# KiCad board ws2812-clock.kicad_pcb (continued)
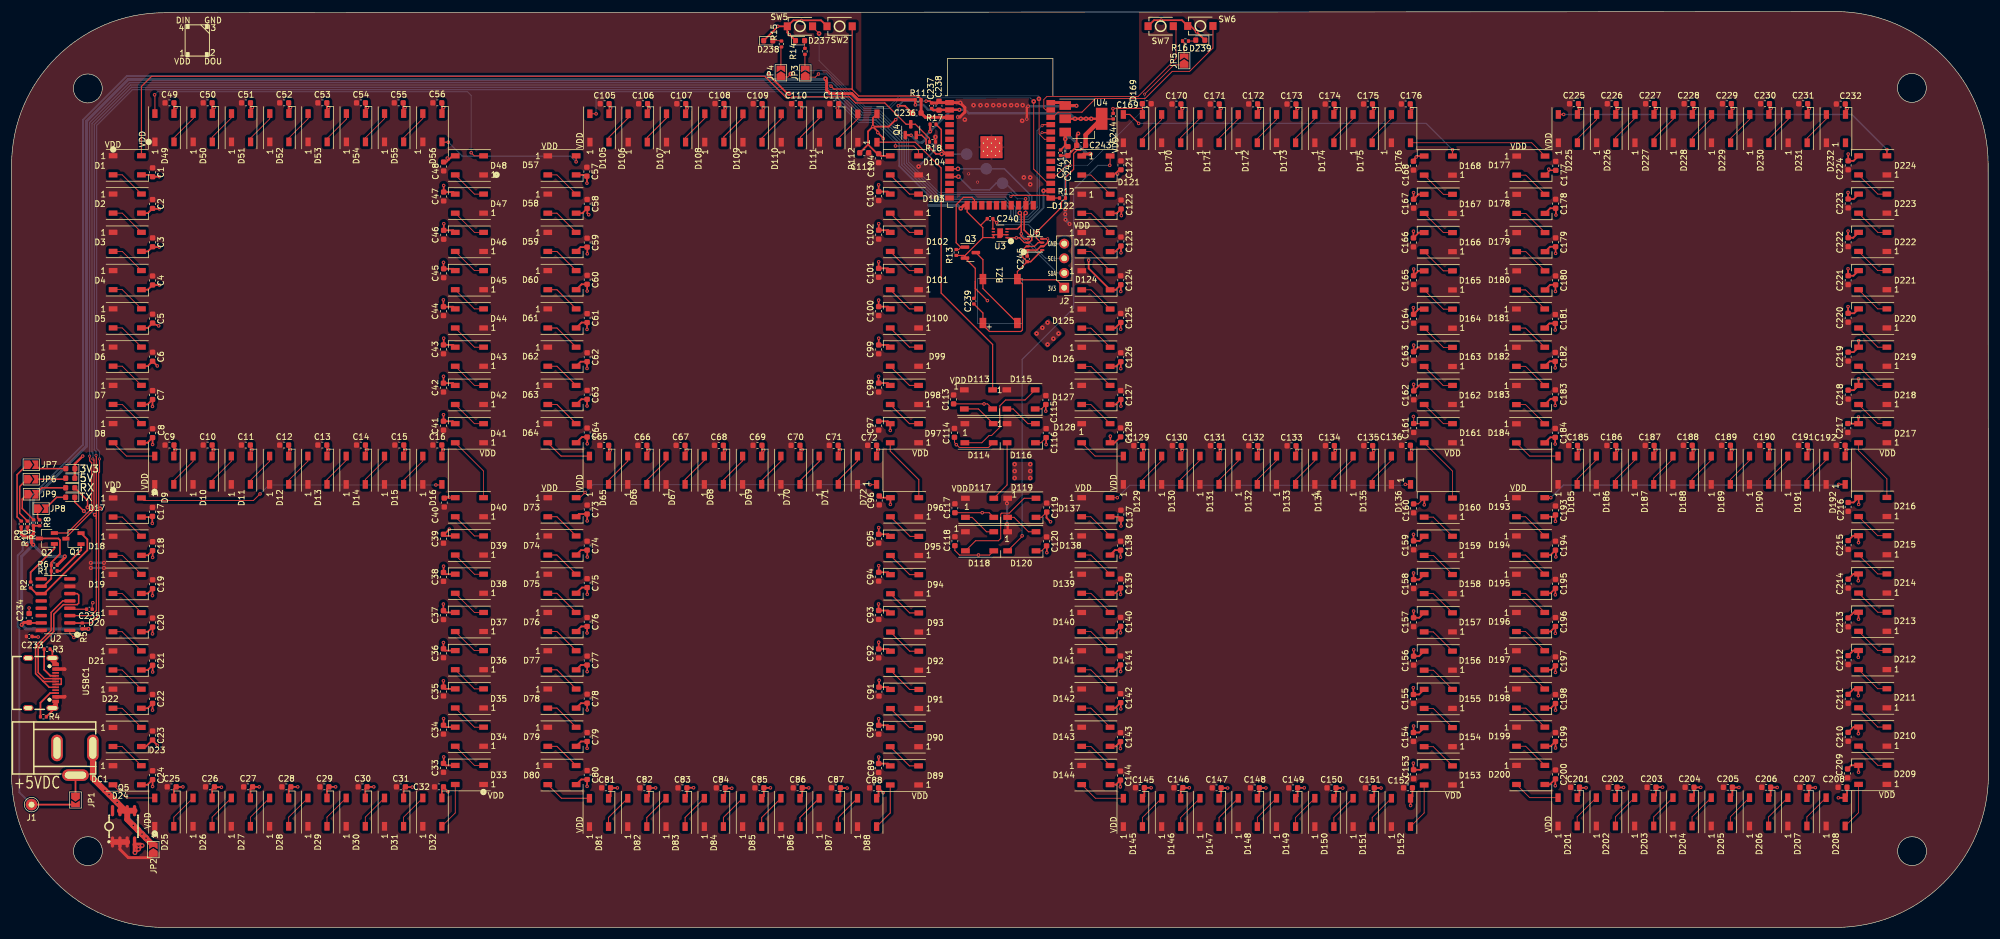
[diagram p0: board, top side]
## Nets (continued)
Net-(D118-DOUT): D118.2 D119.4
Net-(D119-DOUT): D119.2 D120.4
Net-(D120-DOUT): D120.2 D121.4
Net-(D121-DOUT): D121.2 D122.4
Net-(D122-DOUT): D122.2 D123.4
Net-(D123-DOUT): D123.2 D124.4
Net-(D124-DOUT): D124.2 D125.4
Net-(D125-DOUT): D125.2 D126.4
Net-(D126-DOUT): D126.2 D127.4
Net-(D127-DOUT): D127.2 D128.4
Net-(D128-DOUT): D128.2 D129.4
Net-(D129-DOUT): D129.2 D130.4
Net-(D130-DOUT): D130.2 D131.4
Net-(D131-DOUT): D131.2 D132.4
Net-(D132-DOUT): D132.2 D133.4
Net-(D133-DOUT): D133.2 D134.4
Net-(D134-DOUT): D134.2 D135.4
Net-(D135-DOUT): D135.2 D136.4
Net-(D136-DOUT): D136.2 D137.4
Net-(D137-DOUT): D137.2 D138.4
Net-(D138-DOUT): D138.2 D139.4
Net-(D139-DOUT): D139.2 D140.4
Net-(D140-DOUT): D140.2 D141.4
Net-(D141-DOUT): D141.2 D142.4
Net-(D142-DOUT): D142.2 D143.4
Net-(D143-DOUT): D143.2 D144.4
Net-(D144-DOUT): D144.2 D145.4
Net-(D145-DOUT): D145.2 D146.4
Net-(D146-DOUT): D146.2 D147.4
Net-(D147-DOUT): D147.2 D148.4
Net-(D148-DOUT): D148.2 D149.4
Net-(D149-DOUT): D149.2 D150.4
Net-(D150-DOUT): D150.2 D151.4
Net-(D151-DOUT): D151.2 D152.4
Net-(D152-DOUT): D152.2 D153.4
Net-(D153-DOUT): D153.2 D154.4
Net-(D154-DOUT): D154.2 D155.4
Net-(D155-DOUT): D155.2 D156.4
Net-(D156-DOUT): D156.2 D157.4
Net-(D157-DOUT): D157.2 D158.4
Net-(D158-DOUT): D158.2 D159.4
Net-(D159-DOUT): D159.2 D160.4
Net-(D160-DOUT): D160.2 D161.4
Net-(D161-DOUT): D161.2 D162.4
Net-(D162-DOUT): D162.2 D163.4
Net-(D163-DOUT): D163.2 D164.4
Net-(D164-DOUT): D164.2 D165.4
Net-(D165-DOUT): D165.2 D166.4
Net-(D166-DOUT): D166.2 D167.4
Net-(D167-DOUT): D167.2 D168.4
Net-(D168-DOUT): D168.2 D169.4
Net-(D169-DOUT): D169.2 D170.4
Net-(D170-DOUT): D170.2 D171.4
Net-(D171-DOUT): D171.2 D172.4
Net-(D172-DOUT): D172.2 D173.4
Net-(D173-DOUT): D173.2 D174.4
Net-(D174-DOUT): D174.2 D175.4
Net-(D175-DOUT): D175.2 D176.4
Net-(D176-DOUT): D176.2 D177.4
Net-(D177-DOUT): D177.2 D178.4
Net-(D178-DOUT): D178.2 D179.4
Net-(D179-DOUT): D179.2 D180.4
Net-(D180-DOUT): D180.2 D181.4
Net-(D181-DOUT): D181.2 D182.4
Net-(D182-DOUT): D182.2 D183.4
Net-(D183-DOUT): D183.2 D184.4
Net-(D184-DOUT): D184.2 D185.4
Net-(D185-DOUT): D185.2 D186.4
Net-(D186-DOUT): D186.2 D187.4
Net-(D187-DOUT): D187.2 D188.4
Net-(D188-DOUT): D188.2 D189.4
Net-(D189-DOUT): D189.2 D190.4
Net-(D190-DOUT): D190.2 D191.4
Net-(D191-DOUT): D191.2 D192.4
Net-(D192-DOUT): D192.2 D193.4
Net-(D193-DOUT): D193.2 D194.4
Net-(D194-DOUT): D194.2 D195.4
Net-(D195-DOUT): D195.2 D196.4
Net-(D196-DOUT): D196.2 D197.4
Net-(D197-DOUT): D197.2 D198.4
Net-(D198-DOUT): D198.2 D199.4
Net-(D199-DOUT): D199.2 D200.4
Net-(D200-DOUT): D200.2 D201.4
Net-(D201-DOUT): D201.2 D202.4
Net-(D202-DOUT): D202.2 D203.4
Net-(D203-DOUT): D203.2 D204.4
Net-(D204-DOUT): D204.2 D205.4
Net-(D205-DOUT): D205.2 D206.4
Net-(D206-DOUT): D206.2 D207.4
Net-(D207-DOUT): D207.2 D208.4
Net-(D208-DOUT): D208.2 D209.4
Net-(D209-DOUT): D209.2 D210.4
Net-(D210-DOUT): D210.2 D211.4
Net-(D211-DOUT): D211.2 D212.4
Net-(D212-DOUT): D212.2 D213.4
Net-(D213-DOUT): D213.2 D214.4
Net-(D214-DOUT): D214.2 D215.4
Net-(D215-DOUT): D215.2 D216.4
Net-(D216-DOUT): D216.2 D217.4
Net-(D217-DOUT): D217.2 D218.4
Net-(D218-DOUT): D218.2 D219.4
Net-(D219-DOUT): D219.2 D220.4
Net-(D220-DOUT): D220.2 D221.4
Net-(D221-DOUT): D221.2 D222.4
Net-(D222-DOUT): D222.2 D223.4
Net-(D223-DOUT): D223.2 D224.4
Net-(D224-DOUT): D224.2 D225.4
Net-(D225-DOUT): D225.2 D226.4
Net-(D226-DOUT): D226.2 D227.4
Net-(D227-DOUT): D227.2 D228.4
Net-(D228-DOUT): D228.2 D229.4
Net-(D229-DOUT): D229.2 D230.4
Net-(D230-DOUT): D230.2 D231.4
Net-(D231-DOUT): D231.2 D232.4
Net-(D233-A): D233.2 JP9.2
Net-(D234-A): D234.2 JP8.2
Net-(D235-A): D235.2 JP7.2
Net-(D236-A): D236.2 JP6.2
Net-(D237-A): D237.2 R14.1
Net-(D238-A): D238.2 R15.1
Net-(D239-A): D239.2 R16.1
Net-(JP1-A): DC1.3 JP1.1
Net-(JP2-B): DC1.1 JP2.2 Q5.5 Q5.6 Q5.7
Net-(JP3-B): JP3.2 R14.2
Net-(JP4-B): JP4.2 R15.2
Net-(JP5-B): JP5.2 R16.2
Net-(JP6-A): JP6.1 R10.2
Net-(JP7-A): JP7.1 R9.2
Net-(JP8-A): JP8.1 R8.2
Net-(JP9-A): JP9.1 R7.2
Net-(Q1-B): Q1.1 R1.2
Net-(Q2-B): Q2.1 R2.2
Net-(U2-V3): C235.2 U2.4
Net-(USBC1-CC1): R3.1 USBC1.A5
Net-(USBC1-CC2): R4.2 USBC1.B5

Pads without a net: D232 2; Q5 8; U1 4 5 6 7 9 12 13 14 17 18 19 20 21 22 24 29 30 31 32; U2 8 9 12 13 14; U3 3 6; USBC1 A8 B8

## Via types
v1: diameter 0.6, hole 0.3, Top to Bottom, 280 vias
v2: diameter 0.7, hole 0.3, Top to Bottom, 24 vias
v3: diameter 0.8, hole 0.3, Top to Bottom, 52 vias
v4: diameter 0.5, hole 0.3, Top to Bottom, 12 vias
v5: diameter 0.8, hole 0.4, Top to Bottom, 8 vias

## Routing (per net, layer and track width the routed paths; a pad name or vN(x,y) marks a point on that pad's centre or on a via; arc(x,y) is an arc through that point)
+3.3V: length 413
  Top w0.2: U4.2 188.48,139.87 C244.1 ; v1(170.3,121.9) 169.64,122.56 C240.1 169.64,120.94 U3.5 ; C239.2 167.92,106.3 BZ1.1 167.92,104.23 169.05,103.1 174.47,103.1 174.75,103.38 174.75,111.29 BZ1.1 ; BZ1.1 173.88,113.49 C245.1 174.8,115.95 174.8,117.21 175.42,117.83 U5.2 176.83,117.83 177.48,118.48 U5.6 177.94,118.48 177.15,119.27 v1(177.15,120.25) 181.5,124.6 181.5,125.49 R12.1 182.2,129.75 183.6,131.15 183.6,133.88 184.17,134.45 184.81,134.45 C243.1 ; BZ1.1 174,112.05 180.61,112.05 J2.1
  Top w0.25: U5.8 176.17,115.18 C245.1
  Top w0.3: R7.1 3.81,69.49 R8.1 ; U2.15 3.13,52.67 C234.2
  Top w0.4: v2(163.85,141.45) 162.17,141.45 U1.2 160.36,141.43 C238.2 159.34,141.39 C237.2 ; U4.2 v3(186.65,139.9) v3(185.75,139.9) v3(184.85,139.9) v3(183.85,139.9) U4.2 ; R17.1 158.79,137.71 v2(158.8,137.7) ; Q4.1 155.47,137.07 v1(155.5,137.05) ; v1(156.25,142.3) 156.2,142.35 R11.1
  Top w0.5: v3(140.7,146.85) 140.7,146.65 140.9,146.45 140.9,144.86 141.51,144.25 145.27,144.25 146.33,143.19 R11.1 ; 3.35,67.7 3.2,67.55 2.2,67.55 1.67,68.08 R9.1 ; 3.35,67.7 3.45,67.6 3.45,66.5 v2(3.75,66.2) ; 3.35,67.7 3.8,68.15 R7.1 ; v2(13.3,51.65) 12.23,51.65 R5.2 ; R6.2 9.2,63.99 v2(9.2,64.2) ; v2(1.75,52.35) 2.16,52.76 C234.2
  Top w0.75: C243.1 185.68,137.13 U4.2
  Bottom w0.2: v1(170.3,121.9) 170.61,121.59 175.81,121.59 v1(177.15,120.25)
  Bottom w0.4: v2(163.85,141.45) 158.45,141.45 157.6,142.3 v1(156.25,142.3) ; v2(163.85,141.45) 164.86,141.45 165.46,140.85 182.9,140.85 v3(183.85,139.9) v3(186.65,139.9) ; v2(163.85,141.45) 162.55,141.45 v2(158.8,137.7) 158.2,137.1 158.2,136.57 157.42,135.79 156.76,135.79 v1(155.5,137.05)
  Bottom w0.5: v2(3.75,66.2) 1.75,64.2 v2(1.75,52.35) 2.45,51.65 v2(13.3,51.65) ; v2(3.75,66.2) 5.75,64.2 v2(9.2,64.2) ; v2(3.75,66.2) 3.75,74.06 12.95,83.26 12.95,139.48 20.17,146.7 140.55,146.7 v3(140.7,146.85)
+5V: length 61.2
  Top w0.3: R18.2 159.71,136.74 v3(159.7,136.75) ; C241.2 182.15,135.3 182.15,135.55 ; 182.15,135.55 v3(182.15,136.4) ; 182.15,135.55 C242.2 ; v2(2.95,68.5) 2.76,68.69 R10.1
  Top w0.4: D119.1 172.07,74.12 v2(172.07,73.38) ; v2(172.1,69.77) 172.2,69.67 D120.1
  Top w0.5: Q5.2 18.73,13.52 20.18,12.07 23.85,12.07 JP2.1 ; U4.3 v3(182.15,136.4) ; v3(186.5,133.8) 185.34,133.8 D121.1
  Top w0.6: USBC1.A4-B9 9.16,44.69 9.2,44.65 ; 9.2,39.95 9.15,39.89 USBC1.B4-A9
  Top w1: Q5.1 Q5.3
  Bottom w0.3: v3(156.8,131.65) 159.7,134.55 v3(159.7,136.75) ; v2(2.95,68.5) 3.15,68.3 3.15,66.73 v2(2.62,66.2)
  Bottom w0.4: v2(172.1,69.77) 172.1,73.35 v2(172.07,73.38) ; v2(13.7,63.07) v2(15.98,63.07) ; v2(15.98,62.2) v2(13.7,62.2)
  Bottom w0.5: v2(182.9,121.7) 182.2,122.4 v2(182.2,122.45) 182.15,122.45 v2(182.15,123.4) v2(182.15,124.25) v3(182.15,136.4) 182.46,136.71 183.06,136.71 185.97,133.8 v3(186.5,133.8)
GND: length 870.5
  Top w0.15: C108.2 123.15,140.78 D108.3 ; 123.17,141.75 v1(123.4,141.75) ; D109.3 129.75,140.76 C109.2 ; 143,141.75 143,140.77 D111.3 ; 143,141.75 v1(142.75,141.75) ; 143,141.75 C111.2 ; C107.2 116.55,140.8 D107.3 ; 75.75,74.27 75.75,74.3 v1(75.6,74.45) ; 75.75,74.27 74.8,74.27 ; 75.75,74.27 76.62,74.27 D40.3 ; 129.78,141.75 v1(130,141.75) ; D105.3 103.3,140.79 C105.2 ; 103.32,141.75 v1(103.55,141.75) ; D106.3 109.95,140.82 C106.2 ; v1(242.35,88.4) 242.4,88.35 242.4,87.17 242.42,87.15 D161.3 ; 109.97,141.75 v1(110.2,141.75) ; 116.57,141.75 v1(116.8,141.75) ; 136.38,141.75 v1(136.6,141.75) ; 136.38,141.75 C110.2 ; 136.38,141.75 136.38,140.77 D110.3
  Top w0.16: C114.2 163,83.89 163.32,83.57 v1(163.32,83.52) 163.37,83.52 163.85,83.04 168.89,83.04 D114.3 ; C117.2 v1(167.8,71.75) 169,71.75 D117.3 ; C118.2 163.07,65.21 163.87,64.42 167.14,64.42 v1(167.15,64.43) 167.16,64.42 169.07,64.42 D118.3 ; C115.2 178.03,89.7 D115.3 ; C235.1 13.93,56.05 v1(14.05,56.17) ; D116.3 177.95,83.85 C116.2 ; D120.3 178.05,65.15 C120.2 ; 242.37,73.27 243.18,73.27 D160.3 ; v1(3.03,55.27) 3.04,55.26 C234.1 ; D113.3 168.72,90.57 168.12,90.57 v1(168.12,90.57) 168.11,90.57 C113.2 ; C119.2 178.03,70.95 D119.3 ; U2.1 10.08,50.85 v1(10.77,50.16)
  Top w0.2: C15.2 67.8,81.58 D15.3 ; 167.53,121.45 167.9,121.08 167.9,119.38 167.93,119.35 ; 167.53,121.45 165.19,123.79 U1.15 ; 167.53,121.45 167.53,121.47 C240.2 ; 241.8,141.7 v1(242.1,141.7) ; D134.3 228.67,81.62 C134.2 ; 195.55,82.5 195.7,82.5 v1(195.8,82.6) ; 195.55,82.5 C129.2 ; 195.55,82.5 195.55,81.6 D129.3 ; 166.6,111.75 166.6,110.55 v1(168.7,108.45) ; 166.6,111.75 166.6,114.02 Q3.2 ; 166.6,111.75 166.6,109.08 C239.1 ; 202.2,82.55 v1(202.4,82.55) ; 202.2,82.55 C130.2 ; 202.2,82.55 202.2,81.63 D130.3 ; 228.65,141.7 v1(228.95,141.7) ; 215.4,82.6 v1(215.6,82.6) ; C65.2 103.2,83.37 D65.3 ; D133.3 222.05,81.62 C133.2 ; 74.6,82.65 v1(74.65,82.65) 74.38,82.65 ; 129.7,82.6 v1(130.01,82.6) ; D70.3 C70.2 ; Q3.2 164.82,116.25 167.93,119.35 ; Q3.2 164.82,116.02 164.59,116.26 R13.1 ; 235.3,141.7 v1(235.6,141.7) ; D69.3 129.68,83.36 C69.2 ; D72.3 149.54,82.65 ; 149.54,82.65 v1(149.85,82.65) ; 149.54,82.65 C72.2 ; 215.42,83.35 215.42,81.61 D132.3 ; D175.3 235.27,140.69 235.27,142.45 ; D172.3 215.41,140.7 C172.2 ; C244.2 190.45,141.6 v1(190.4,141.65) 190.45,141.7 195.45,141.7 195.5,141.65 ; 195.53,140.68 D169.3 195.5,141.65 ; C174.2 228.64,140.69 D174.3 ; 215.45,141.7 v1(215.75,141.7) ; D67.3 116.44,83.38 116.42,83.4 ; 241.85,82.6 v1(242.05,82.6) ; 123.05,82.6 v1(123.36,82.6) ; C170.2 202.15,141.7 ; 202.15,141.7 202.15,140.68 D170.3 ; 202.15,141.7 v1(202.45,141.7) ; 103.2,82.6 v1(103.51,82.6) ; D171.3 208.77,140.68 C171.2 ; C14.2 61.18,81.58 D14.3 ; C12.2 47.9,81.56 D12.3 ; 34.68,82.65 v1(34.95,82.65) ; C66.2 109.82,83.4 D66.3 ; 47.93,82.65 v1(48.2,82.65) ; D136.3 241.84,83.38 C136.2 ; 222.05,141.7 v1(222.35,141.7) ; C11.2 41.27,81.57 D11.3 ; D13.3 54.5,81.58 C13.2 ; D9.3 28.08,81.57 C9.2 ; C176.2 241.8,140.69 D176.3 ; 116.45,82.6 v1(116.76,82.6) ; C169.2 195.5,142.47 195.5,141.65 ; 41.27,82.65 v1(41.55,82.65) ; 208.8,141.7 v1(209.1,141.7) ; U3.2 171.15,119.85 U3.9 170.65,119.85 U3.7 U3.8 167.93,119.35 ; 208.8,82.55 v1(209,82.55) ; 74.38,82.65 74.38,81.56 D16.3 ; 74.38,82.65 C16.2 ; 228.65,82.55 v1(228.85,82.55) ; 142.95,82.65 v1(143.26,82.65) ; D135.3 235.3,81.63 C135.2 ; 34.68,83.45 34.68,81.55 D10.3 ; 222.05,82.6 v1(222.25,82.6) ; C68.2 123.06,83.39 D68.3 ; 28.08,82.65 v1(28.35,82.65) ; D173.3 222.03,140.7 C173.2 ; 109.85,82.6 v1(110.16,82.6) ; 61.18,82.65 v1(61.45,82.65) ; C71.2 142.92,83.38 D71.3 ; 67.82,82.65 v1(68.1,82.65) ; 54.52,82.65 v1(54.8,82.65) ; D131.3 208.8,81.61 C131.2 ; 136.35,82.65 v1(136.66,82.65) ; 235.3,82.55 v1(235.5,82.55)
  Top w0.25: D186.3 277.33,81.61 C186.2 ; C191.2 310.45,81.63 D191.3 ; 270.72,83.38 270.72,81.61 D185.3 ; D228.3 290.68,140.76 C228.2 ; D192.3 316.98,81.56 316.98,82.65 ; 316.98,82.65 v1(317.25,82.65) ; 316.98,82.65 C192.2 ; C189.2 297.15,81.57 D189.3 ; U5.5 v4(179.12,119.14) 179.12,118.5 178.44,117.83 U5.7 177.9,117.83 177.25,117.18 U5.1 175.65,116.22 C245.2 ; C226.2 277.4,140.73 D226.3 ; v1(284.33,141.7) 284.05,141.7 ; C230.2 303.9,140.75 D230.3 ; v1(277.7,141.7) 277.43,141.7 ; 283.98,82.6 v1(284.25,82.6) ; D225.3 270.88,140.82 270.88,141.7 ; v1(290.98,141.7) 290.7,141.7 ; C227.2 284.03,140.73 D227.3 ; 270.73,82.6 v1(271,82.6) ; C188.2 290.55,81.59 D188.3 ; C225.2 270.88,141.7 ; 270.88,141.7 v1(271.15,141.7) ; D232.3 317.04,142.41 C232.2 ; v1(304.18,141.72) 303.9,141.72 ; C190.2 D190.3 ; D187.3 283.96,81.61 283.96,83.38 ; 265.94,130.98 D177.3 ; 265.94,130.98 C177.2 ; 265.94,130.98 v1(265.74,131.19) ; 303.75,82.62 v1(304.03,82.62) ; C231.2 310.5,140.73 D231.3 ; C229.2 297.3,140.77 D229.3 ; 297.15,82.6 v1(297.43,82.6) ; 290.58,82.6 v1(290.85,82.6) ; 190.97,130.57 191.47,131.07 C121.2 ; 190.97,130.57 v1(191.2,130.35) ; 190.97,130.57 190.57,130.17 D121.3 ; v1(297.6,141.7) 297.33,141.7 ; v1(310.78,141.7) 310.5,141.7 ; v1(317.33,141.67) 317.05,141.67 ; 310.46,82.62 v1(310.74,82.62) ; 277.35,82.6 v1(277.62,82.6)
  Top w0.3: C62.2 98.38,97.87 D62.3 ; 41.3,141.85 v1(41.63,141.85) ; C60.2 98.54,111.27 D60.3 ; C58.2 98.67,123.57 D58.3 ; C24.2 23.48,24.68 D24.3 ; D48.3 76.24,133.49 75.6,132.85 ; SW5.1 135.14,156.93 136.52,156.93 v1(136.55,156.9) 136.58,156.93 139.94,156.93 SW2.1 ; SW5.1 v1(132.45,155.9) 132.45,155.84 D238.1 ; SW5.1 134.11,154.82 134.45,154.48 v1(134.45,154.45) 134.48,154.45 D237.1 ; C147.2 209.1,22.71 D147.3 ; 24.39,32.33 v1(25.2,31.52) ; D224.3 318.44,132.62 C224.2 ; 242.34,106.08 v1(242.34,107.23) ; 317.51,132.65 v1(317.51,133.8) ; 242.33,40.32 v1(242.33,41.47) ; C7.2 23.51,90.48 D7.3 ; D163.3 243.12,100.35 C163.2 ; USBC1.4 7.06,37.5 R4.1 ; 310.68,24.19 v1(311.83,24.19) ; 242.34,27.27 v1(242.34,28.42) ; D38.3 74.97,61.11 C38.2 ; 149.89,114 v1(149.89,115.15) ; D157.3 243.34,53.57 C157.2 ; C180.2 265.99,111.17 D180.3 ; D152.3 242.17,22.69 C152.2 ; v1(150.7,136.45) 150.7,136.55 v1(149.75,137.5) 149.75,137.7 v1(148.9,138.55) ; D17.3 24.23,71 24.35,71.12 ; C95.2 151.56,68.02 D95.3 ; C96.2 150.3,74.35 D96.3 ; 191.73,45.42 v1(191.73,44.27) ; C73.2 98.07,71.52 D73.3 ; 74.69,132.47 75.22,132.47 75.6,132.85 ; D127.3 190.87,90.47 C127.2 ; 242.37,27.27 243.53,27.27 D153.3 ; 319.26,47.88 v1(319.26,46.73) ; D239.1 204.85,154.95 v1(204.85,154.95) 204.85,154.95 203.85,155.95 SW6.1 202.32,156.95 198.75,156.95 v1(198.75,156.95) 198.75,156.95 197.5,156.95 SW7.1 ; C99.2 151.52,100.77 D99.3 ; D2.3 23.56,123.58 C2.2 ; D196.3 266.02,51.19 C196.2 ; C124.2 190.86,110.31 D124.3 186.2,114.02 v1(186.2,115.45) ; 178.92,71.83 178.92,70.87 v1(179.61,70.18) ; 191.79,70.6 v1(191.79,69.45) ; C20.2 23.56,51.16 D20.3 ; 266.86,97.95 v1(266.86,96.8) ; D148.3 215.7,22.69 C148.2 ; 123.36,24.08 v1(124.51,24.08) ; C46.2 76.35,120.6 D46.3 ; 99.47,129.91 v1(99.47,128.76) ; 24.41,111.13 v1(25.56,111.13) ; 149.9,28.34 v1(149.9,29.49) ; 149.88,54.81 v1(149.88,55.96) ; D94.3 151.52,61.45 C94.2 ; 149.9,94.17 151.5,94.17 D98.3 ; 67.7,141.85 v1(68.03,141.85) ; C75.2 98.59,58.8 D75.3 ; D210.3 318.42,34.67 C210.2 ; D184.3 266,84.78 C184.2 ; 191.85,124.3 v1(191.85,123.15) ; 24.39,45.34 v1(24.39,44.19) ; C150.2 228.95,22.7 D150.3 ; 149.91,61.44 v1(149.91,62.59) ; v1(148.9,138.55) 151.65,138.55 v1(152.85,139.75) ; v1(148.9,138.55) 148.06,137.71 148.06,135.44 ; v1(148.9,138.55) 148.9,140.05 D112.3 ; C122.2 191.05,123.55 D122.3 ; C36.2 74.98,47.89 D36.3 ; C78.2 98.45,38.8 D78.3 ; 149.9,48.2 v1(149.9,49.35) ; D211.3 318.47,41.29 C211.2 ; 266.9,71.4 v1(266.9,70.25) ; C142.2 190.78,37.95 D142.3 ; 24.33,71.05 v1(24.33,69.9) ; D221.3 318.42,112.75 C221.2 ; 178.97,65.99 v1(178.97,64.84) ; 284.28,24.25 284.28,22.83 D203.3 ; D219.3 318.44,99.52 C219.2 ; C28.2 47.91,23.95 D28.3 ; C215.2 318.35,67.77 D215.3 ; 99.51,71.48 v1(99.51,70.33) ; D100.3 151.51,107.4 C100.2 ; D47.3 76.35,127.22 C47.2 ; C178.2 266,124.42 D178.3 ; C32.2 74.39,24.04 D32.3 ; C137.2 191.38,71.05 D137.3 ; C21.2 23.54,44.54 D21.3 ; 319.32,74.34 v1(319.32,73.19) ; 191.79,117.87 v1(191.79,116.72) ; C87.2 143.28,22.7 D87.3 ; C89.2 151.5,28.35 D89.3 ; C202.2 277.55,22.73 D202.3 ; 266.91,32.19 v1(266.91,31.04) ; 143.29,24.11 v1(144.44,24.11) ; D213.3 318.48,54.53 C213.2 ; 99.52,84.82 v1(99.52,83.67) ; D140.3 190.81,51.19 C140.2 ; 99.49,52.09 v1(99.49,50.94) ; C162.2 243.34,93.77 D162.3 ; D88.3 149.88,22.68 C88.2 ; USBC1.1 7.06,47.74 R3.2 ; 241.86,22.24 v1(241.86,21.09) ; C35.2 74.99,41.27 D35.3 ; D3.3 23.57,116.96 C3.2 ; 74.7,100.79 v1(74.7,101.94) ; D216.3 318.44,73.52 C216.2 ; 284.27,24.26 v1(285.42,24.26) ; D5.3 23.54,103.72 C5.2 ; 244.23,74.26 v1(244.23,73.11) ; 317.48,119.32 v1(317.48,120.47) ; 74.68,61.35 v1(74.68,62.5) ; 148.06,135.44 149.66,133.85 C104.2 150.26,133.49 D104.3 ; 148.06,135.44 C112.2 ; D19.3 23.55,57.78 C19.2 ; C81.2 103.55,22.7 D81.3 ; D44.3 76.32,107.39 74.67,107.39 ; C97.2 151.47,87.57 D97.3 ; C146.2 202.12,23.82 D146.3 ; C18.2 23.56,64.38 D18.3 ; D223.3 318.46,126.02 C223.2 ; C101.2 151.51,114.02 D101.3 ; C57.2 99.24,130.19 D57.3 ; 242.38,92.81 v1(242.38,93.96) ; D168.3 242.99,133.45 v1(242.83,133.29) 242.34,132.8 242.34,132.55 ; C198.2 266.1,37.95 D198.3 ; 271.04,24.16 v1(272.19,24.16) ; 191.76,97.82 v1(191.76,96.67) ; 149.91,120.6 v1(149.91,121.75) ; D30.3 61.15,24.01 C30.2 ; C49.2 28.08,140.81 D49.3 ; D22.3 23.53,37.92 C22.2 ; C25.2 28.05,23.91 D25.3 ; D50.3 34.68,140.82 34.68,142.65 ; D51.3 41.3,140.82 C51.2 ; C218.2 318.48,92.95 D218.3 ; D214.3 318.4,61.15 C214.2 ; 74.72,120.6 v1(74.72,121.75) ; 242.36,66.86 v1(242.36,68.01) ; 189.95,83.84 v1(189.95,84.99) ; C1.2 24.05,130.2 D1.3 ; 235.58,24.15 235.58,22.7 D151.3 ; 266.92,117.77 v1(266.92,116.62) ; 319.28,87.15 v1(319.28,88.3) ; C102.2 151.53,120.62 D102.3 ; C33.2 75.02,28.03 D33.3 ; C159.2 243.41,66.88 D159.3 ; 317.48,106.25 v1(317.48,107.4) ; 75.6,132.85 v1(75.32,133.1) ; v2(184.4,137.35) 184.13,137.08 C243.2 184.13,135.11 182.62,133.6 C242.1 C241.1 ; D45.3 76.38,113.95 C45.2 ; 74.67,94.2 v1(74.67,95.35) ; C83.2 116.75,22.66 D83.3 ; C31.2 67.77,24.01 D31.3 ; C6.2 23.51,97.1 D6.3 ; C166.2 243.28,120.21 D166.3 ; C85.2 130.05,22.72 D85.3 ; D208.3 317.3,22.76 C208.2 ; D84.3 123.38,22.66 C84.2 ; 242.39,112.76 v1(242.39,113.91) ; 74.71,28.35 v1(74.71,29.5) ; 99.48,104.61 v1(99.48,103.46) ; D195.3 266.04,57.81 C195.2 ; C236.1 154.43,142.15 v1(153.3,142.15) ; C149.2 222.32,22.7 D149.3 ; 319.32,100.35 v1(319.32,101.5) ; C222.2 318.38,119.32 D222.3 ; 195.85,24.16 v1(197,24.16) ; C59.2 98.35,117.7 D59.3 ; D167.3 243.23,126.83 C167.2 ; 277.52,24.22 v1(278.67,24.22) ; 319.26,41.25 v1(319.26,40.1) ; 74.64,24.31 v1(75.45,23.5) ; C54.2 61.18,140.81 D54.3 ; D204.3 290.85,22.79 C204.2 ; D139.3 190.78,57.81 C139.2 ; 266.91,38.74 v1(266.91,37.59) ; 149.88,94.19 v1(149.88,95.34) ; D42.3 76.3,94.17 C42.2 ; C23.2 23.23,31.3 D23.3 ; C91.2 151.53,41.57 D91.3 ; C201.2 271.05,22.85 D201.3 ; C138.2 190.75,65.27 D138.3 ; 191.71,65.21 v1(191.71,64.06) ; C197.2 266.2,44.57 D197.3 ; 266.87,25.66 v1(266.87,24.51) ; D128.3 190.7,83.85 C128.2 ; 110.19,24.14 v1(111.34,24.14) ; 54.5,141.85 v1(54.82,141.85) ; C64.2 98.6,84.85 D64.3 ; 242.39,99.59 v1(242.39,100.74) ; D144.3 190.91,24.71 C144.2 ; 191.78,91.34 v1(191.78,90.19) ; D37.3 74.97,54.49 C37.2 ; C209.2 318.03,28.05 D209.3 ; 24.36,58.56 v1(24.36,57.41) ; D93.3 151.53,54.82 C93.2 ; C126.2 190.94,97.07 D126.3 ; D141.3 190.84,44.57 C141.2 ; 266.86,91.45 v1(266.86,90.3) ; D200.3 265.93,24.73 C200.2 ; 24.38,97.96 v1(25.19,97.15) ; 297.47,24.22 v1(298.62,24.22) ; C52.2 47.9,140.84 D52.3 ; 74.67,87.56 v1(74.67,88.71) ; D154.3 243.36,33.72 C154.2 ; 24.39,65.16 v1(24.39,64.01) ; C80.2 98.49,25.6 D80.3 ; 24.37,38.75 v1(24.37,37.6) ; C27.2 41.29,23.95 D27.3 ; D165.3 243.22,113.59 C165.2 ; 149.89,107.38 v1(149.89,108.53) ; D53.3 54.5,140.86 C53.2 ; C34.2 75,34.65 D34.3 ; 99.49,32.14 v1(99.49,30.99) ; 116.75,24.17 v1(117.9,24.17) ; C63.2 98.5,91.37 D63.3 ; C79.2 98.44,32.17 D79.3 ; 130.04,24.15 v1(131.19,24.15) ; C143.2 190.88,31.33 D143.3 ; C220.2 318.54,106.25 D220.3 ; 209.08,24.12 v1(210.23,24.12) ; 242.37,60.17 v1(242.37,61.32) ; C86.2 136.67,22.72 D86.3 ; 74.67,100.78 76.31,100.78 D43.3 ; 28.47,24.31 v1(29.62,24.31) ; C74.2 98.44,65.27 D74.3 ; 266.88,58.69 v1(266.88,57.54) ; 68.12,24.28 v1(69.27,24.28) ; D182.3 265.91,97.93 C182.2 ; D212.3 318.39,47.91 C212.2 ; 99.5,111.25 v1(99.5,110.1) ; D82.3 110.17,22.7 C82.2 ; D123.3 190.8,116.93 C123.2 ; 74.38,141.85 v1(74.7,141.85) ; D194.3 266.06,64.43 C194.2 ; 24.37,51.94 v1(24.37,50.79) ; 136.66,24.14 v1(137.81,24.14) ; 242.37,33.7 v1(242.37,34.85) ; 242.37,125.98 v1(242.37,127.13) ; D56.3 74.38,140.82 C56.2 ; 74.67,113.91 v1(74.67,115.06) ; 24.39,117.71 v1(25.54,117.71) ; 319.29,67.72 v1(319.29,66.57) ; 319.25,61.13 v1(319.25,59.98) ; 317.48,112.8 v1(317.48,113.95) ; C76.2 98.49,52.07 D76.3 ; 149.9,34.96 v1(149.9,36.11) ; 24.37,104.51 v1(25.43,104.07) ; D8.3 23.49,83.86 C8.2 ; C125.2 190.76,103.69 D125.3 ; D61.3 98.54,104.65 C61.2 ; 242.38,53.58 v1(242.38,54.73) ; C164.2 243.27,106.97 D164.3 ; 242.35,119.3 v1(242.35,120.45) ; 48.32,24.32 v1(49.47,24.32) ; C29.2 54.53,23.99 D29.3 ; 24.38,25.53 v1(24.38,24.38) ; 149.87,24.13 v1(150.68,23.32) ; 151.93,74.34 v1(151.93,73.19) ; D179.3 265.96,117.76 C179.2 ; D206.3 304.1,22.8 C206.2 ; 99.48,97.85 v1(99.48,96.7) ; C77.2 98.43,45.4 D77.3 ; D145.3 195.82,22.67 C145.2 ; 319.29,28.01 v1(319.29,26.86) ; 28.1,141.85 v1(28.43,141.85) ; D181.3 265.85,104.49 C181.2 ; 266.9,111.18 v1(266.9,110.03) ; D193.3 266.58,71.05 C193.2 ; 202.46,24.16 v1(203.61,24.16) ; 290.86,24.23 v1(292.01,24.23) ; 149.89,127.32 v1(149.89,128.47) ; C39.2 74.96,67.73 D39.3 ; D205.3 297.48,22.79 C205.2 ; D183.3 266.05,91.45 C183.2 ; C92.2 151.56,48.17 D92.3 ; 266.85,84.78 v1(266.85,83.63) ; 266.87,104.51 v1(266.87,103.36) ; D103.3 151.47,127.3 C103.2 ; 191.76,111.17 v1(191.76,110.02) ; C199.2 266.08,31.35 D199.3 ; 99.49,91.36 v1(99.49,90.21) ; 74.66,48.14 v1(74.66,49.29) ; 319.29,54.47 v1(319.29,53.32) ; 99.52,58.79 v1(99.52,57.64) ; 317.45,87.17 317.48,87.15 D217.3 ; v1(99.78,123.3) 99.54,123.54 99.54,124.42 ; 304.08,24.22 v1(305.23,24.22) ; C90.2 151.5,34.97 D90.3 ; 24.39,129.89 v1(25.54,129.89) ; 191.74,104.65 v1(191.74,103.5) ; 191.7,32.09 v1(191.7,30.94) ; C158.2 243.33,60.17 D158.3 ; 47.9,141.85 v1(48.23,141.85) ; v1(158.1,142.95) 158.75,142.95 C237.1 ; 54.87,24.32 v1(56.02,24.32) ; 24.38,84.7 v1(24.38,83.55) ; C41.2 76.28,87.57 D41.3 ; 61.47,24.32 v1(62.62,24.32) ; C207.2 310.7,22.78 D207.3 ; 149.98,41.6 v1(149.98,42.75) ; 242.4,46.88 v1(242.4,48.03) ; 178.85,84.69 v1(178.85,83.54) ; 99.51,38.77 v1(99.51,37.62) ; D4.3 23.56,110.34 C4.2 ; 317.48,126 v1(317.48,127.15) ; 74.68,34.98 v1(74.68,36.13) ; 99.53,65.23 v1(99.53,64.08) ; 316.96,22.43 v1(315.81,22.43) ; 319.3,93.75 v1(319.3,94.9) ; 149.91,68.03 v1(149.91,69.18) ; 235.6,24.12 v1(236.75,24.12) ; 61.2,141.85 v1(61.52,141.85) ; 35.13,24.26 v1(36.28,24.26) ; 149.91,100.79 v1(149.91,101.94) ; 266.88,52.04 v1(266.88,50.89) ; 191.72,58.75 v1(191.72,57.6) ; v1(75.68,68.9) 74.78,68 74.68,68 ; 178.79,90.47 v1(178.79,89.32) ; 99.49,25.56 v1(99.49,24.41) ; 242.38,88.37 v1(242.35,88.4) ; 99.53,117.69 v1(99.53,116.54) ; 24.4,124.32 v1(25.55,124.32) ; 24.36,91.29 v1(24.36,90.14) ; 215.7,24.13 v1(216.85,24.13) ; 266.98,124.4 v1(266.98,123.25) ; 74.65,107.42 v1(74.65,108.57) ; C26.2 34.67,23.92 D26.3 ; 99.5,45.41 v1(99.5,44.26) ; C55.2 67.7,140.88 D55.3 ; 74.66,41.52 v1(74.66,42.67) ; 191.76,38.95 v1(191.76,37.8) ; C155.2 243.31,40.3 D155.3 ; 103.58,24.14 v1(104.73,24.14) ; 222.33,24.15 v1(223.48,24.15) ; 266.9,45.27 v1(266.9,44.12) ; 191.68,25.47 v1(191.68,24.32) ; 191.71,52.12 v1(191.71,50.97) ; 266.97,65.25 v1(266.97,64.1) ; 228.98,24.11 v1(230.13,24.11) ; 151.91,87.13 v1(151.91,85.98) ; 74.65,54.8 v1(74.65,55.95) ; 74.7,127.21 v1(74.7,128.36) ; 319.27,34.67 v1(319.27,33.52) ; 34.7,141.85 v1(35.02,141.85) ; C156.2 243.31,46.92 D156.3 ; 41.66,24.32 v1(42.81,24.32)
  Top w0.4: v1(4.6,50.25) 3.63,50.25 C233.1 ; D236.1 10.94,77.73 D235.1 10.94,80.19 v1(12.3,81.55) ; v1(175.73,142.08) 175.51,141.86 v1(175.51,139.85)
  Top w0.5: U1.15 164.64,124.94 v3(164.1,124.4) ; v5(21.95,13.53) 21.34,12.92 v5(21.33,12.92) 21.21,13.04 21.21,14.42 ; v5(21.95,13.53) 21.21,14.27 21.21,14.42 ; v5(21.95,13.53) v5(22.59,14.17) ; v2(184.1,142.15) 184.05,142.2 U4.1 181.65,142.7 U1.38 ; 21.21,14.42 22.34,14.42 ; C237.1 160.03,142.64 C238.1 160.57,142.7 U1.1 163.94,142.7 163.99,142.65 v3(164,142.65) 164,142.64 164.8,141.84 164.8,141.06 163.94,140.2 v1(163.55,140.2)
  Top w0.75: 7.06,37.93 7.62,38.49 ; 7.66,45.63 7.06,46.23 7.06,46.71 7.1,46.75 ; 7.62,38.39 7.62,38.95
  Bottom w0.25: v4(179.12,119.14) 179.96,118.3 J2.4
  Bottom w0.3: v1(158.1,142.95) 154.1,142.95 v1(153.3,142.15) 153.3,140.2 v1(152.85,139.75)
  Bottom w0.4: v2(184.1,142.15) 184.03,142.08 v1(175.73,142.08)
  Bottom w0.5: 158.53,124.92 163.57,124.92 v3(164.1,124.4)
  vias: v3(164.8,139.75) v3(166.3,142.25) v3(167.5,142.25) v3(168.6,142.25) v3(169.7,142.25) v3(170.7,142.25) v3(171.7,142.25) v3(172.8,142.25) v3(173.41,80.15) v3(173.41,78.95) v3(173.41,77.75) v3(173.8,142.25) v3(174.7,139.55) v3(174.8,142.25) v3(175,129.75) v3(176.1,129.75) v3(176.1,128.55) v3(176.1,80.15) v3(176.1,78.95) v3(176.1,77.75) v3(177.2,102.75) v3(178.2,103.75) v3(179.1,104.65) v3(179.1,100.85) v3(180.1,101.85) v3(181,102.75) v4(165.46,130.37) v4(167,128.95)
/ALARM_STATUS_LED: length 32.5
  Top w0.13: v4(195.88,144.17) 200.94,149.22 JP5.1 ; U1.28 180.5,130 182.35,131.85 v4(183,131.85)
  Bottom w0.13: v4(183,131.85) 186.05,131.85 195.88,141.68 v4(195.88,144.17)
/AP_STATUS_LED: length 50.8
  Top w0.15: v1(139.5,147.65) 138.95,147.1 JP3.1 137.25,147.05 ; v1(175.3,126.05) 175.3,124.99 U1.23